# Altium PCB track_kit_test_4.PcbDoc
Units mm, origin at the board's own origin, x right, y up, seen from the top; angles counter-clockwise.
Board outline 60 x 169.5 mm, 2 copper layers (Top Layer, Bottom Layer), stack 1.571 mm thick; 122 components, 71 nets, 367 pads, 4 vias.
Unrouted connection lines stored in the file: 211.
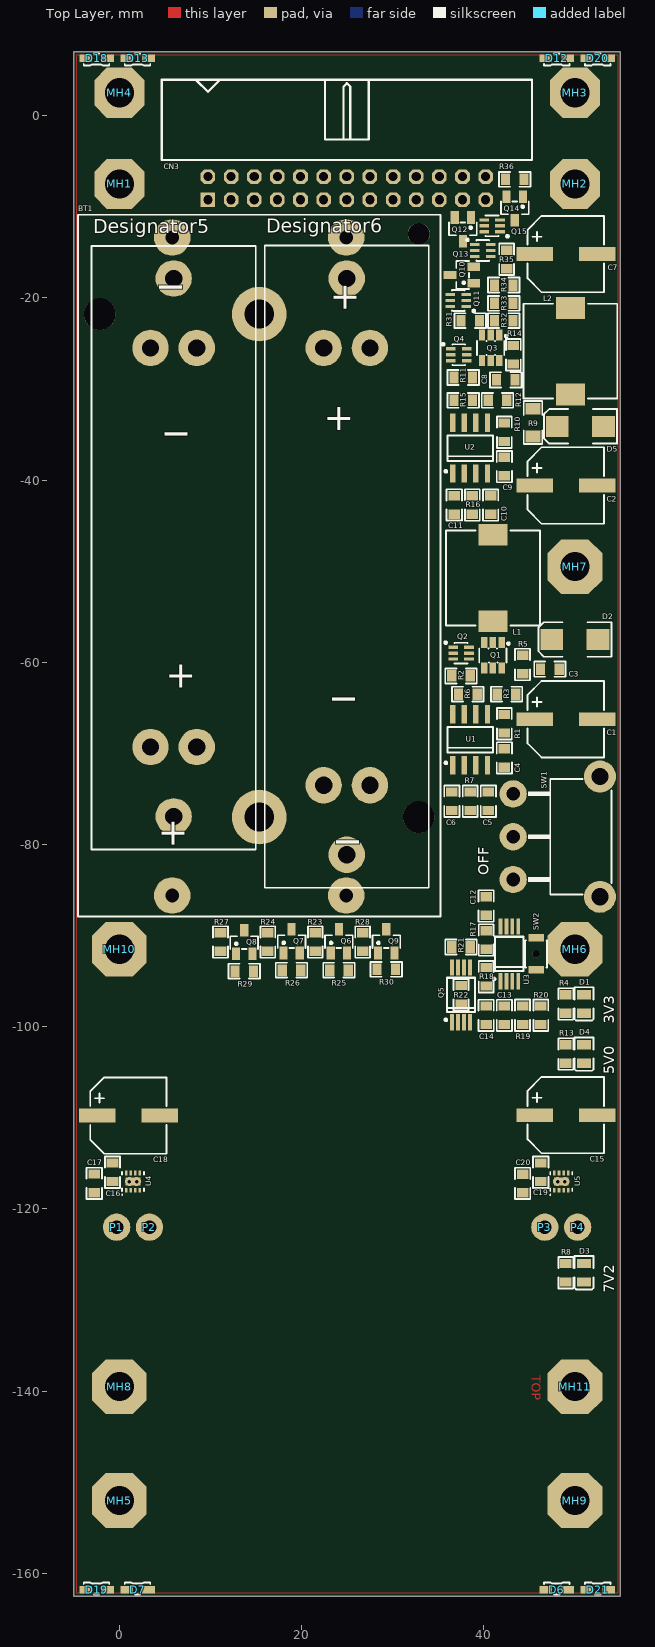
[diagram p0: Top Layer view]
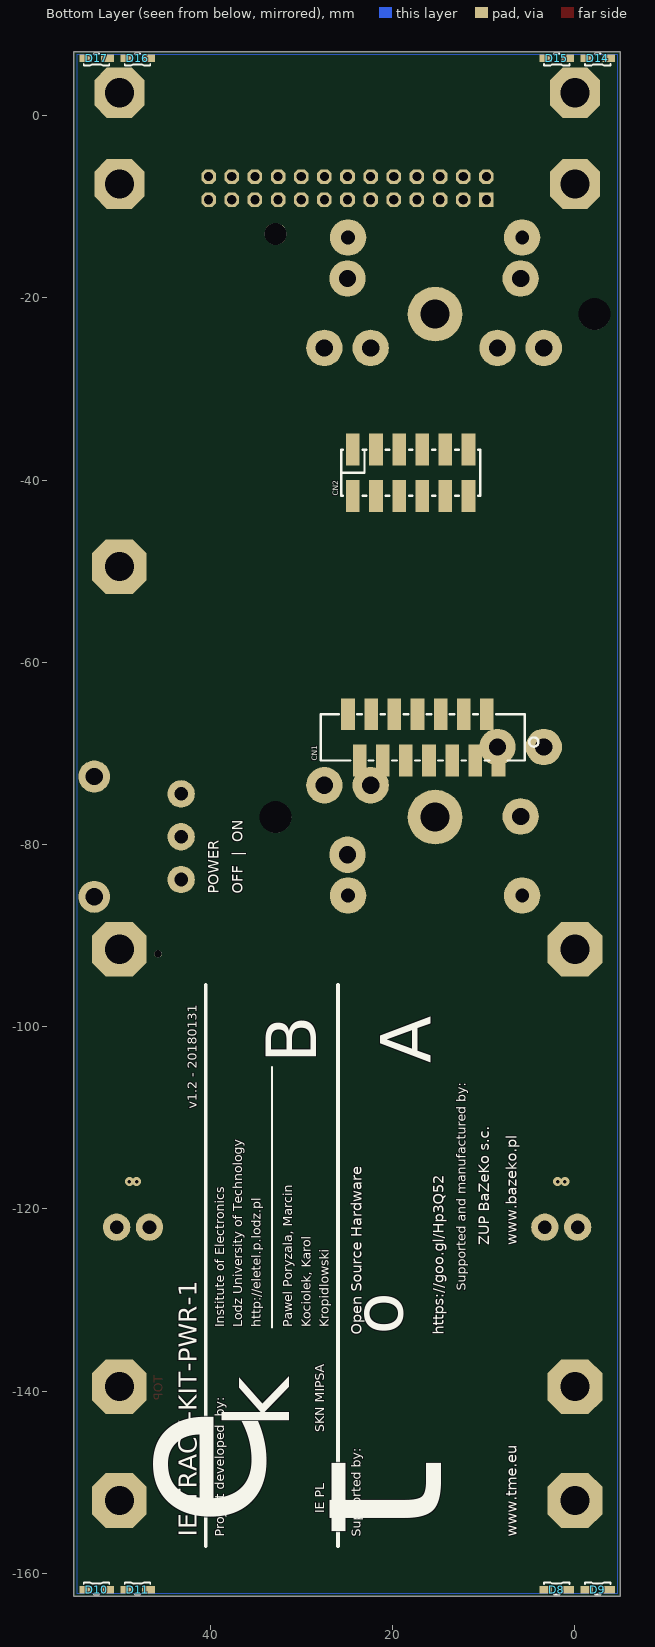
[diagram p1: Bottom Layer view, seen from below]

## Layer stack, top to bottom
Top Solder: solder mask 0.0102, Solder Resist, Dk 3.5
Top Layer: signal copper 0.0356
Dielectric 1: dielectric 1.5, FR-4, Dk 4.8
Bottom Layer: signal copper 0.0356
Bottom Solder: solder mask 0.0102, Solder Resist, Dk 3.5

## Board outline
-5,-162.5 55,-162.5 55,7 -5,7

## Design rules (kind name [scope] priority, off if disabled: settings)
Clearance Clearance_1 [OnLayer('Mechanical 3')] p1: gap=0.5 ignorepadtopadclearanceinfootprint=FALSE
Clearance [All] p2: gap=0.2 ignorepadtopadclearanceinfootprint=FALSE
ComponentClearance [All] p1: gap=0.2 collisioncheckmode=3 verticalgap=0.2 showdistances=FALSE
HoleSize [All] p1: absolutevalues=TRUE maxlimit=3.2 minlimit=0.025 maxpercent=80.000 minpercent=20.000
PolygonConnect [All] p1: thpad.connectstyle=Relief thpad.reliefconductorwidth=0.6 thpad.reliefentries=4 thpad.polygonreliefangle="90 Angle" thpad.airgapwidth=0.254 smdpad.connectstyle=Relief smdpad.reliefconductorwidth=0.6 smdpad.reliefentries=4 smdpad.polygonreliefangle="90 Angle" smdpad.airgapwidth=0.254 via.connectstyle=Direct via.reliefconductorwidth=0.6 via.reliefentries=4 via.polygonreliefangle="90 Angle" via.airgapwidth=0.254
RoomDefinition "[08] - MAIN CONNECTOR" [InComponentClass('[08] - MAIN CONNECTOR')] p1: confinementstyle=ConfineIn formatcopy=TRUE lockcomponents=FALSE outline -458,-388.5 -407.2,-388.5 -407.2,-363.1 -458,-363.1
RoomDefinition "[06] - MOTOR DRIVERS" [InComponentClass('[06] - MOTOR DRIVERS')] p2: confinementstyle=ConfineIn formatcopy=TRUE lockcomponents=FALSE outline -458,-388.5 -407.2,-388.5 -407.2,-363.1 -458,-363.1
RoomDefinition "[05] - POWER" [InComponentClass('[05] - POWER')] p3: confinementstyle=ConfineIn formatcopy=TRUE lockcomponents=FALSE outline -458,-388.5 -407.2,-388.5 -407.2,-363.1 -458,-363.1
RoomDefinition "[04] - BATTERIES WITH PROTECTION" [InComponentClass('[04] - BATTERIES WITH PROTECTION')] p4: confinementstyle=ConfineIn formatcopy=TRUE lockcomponents=FALSE outline -458,-388.5 -407.2,-388.5 -407.2,-363.1 -458,-363.1
RoomDefinition "[07] - LIGHTS" [InComponentClass('[07] - LIGHTS')] p5: confinementstyle=ConfineIn formatcopy=TRUE lockcomponents=FALSE outline -22.4,-192.3 73.1,-192.3 73.1,36.5 -22.4,36.5
RoutingVias [All] p1: holewidth=0.4 width=1 viastyle="Through Hole" minholewidth=0.3 minwidth=0.6 maxholewidth=0.4 maxwidth=1
SilkToSolderMaskClearance [IsPad] p1: minsilkscreentomaskgap=0 clearancetoexposedcopper=TRUE
SolderMaskExpansion [All] p1: expansion=0.102
Width [All] p1: maxlimit=4 minlimit=0.28 preferedwidth=0.6
27 further rules are at their usual default settings.

## Classes and differential pairs
component class "[07] - LIGHTS": CN1 CN2 D6 D7 D8 D9 D10 D11 D12 D13 D14 D15 D16 D17 D18 D19 D20 D21 Q6 Q7 Q8 Q9 R23 R24 R25 R26 R27 R28 R29 R30
component class "[05] - POWER": C1 C2 C3 C4 C5 C6 C7 C8 C9 C10 C11 D1 D2 D3 D4 D5 L1 L2 Q1 Q2 Q3 Q4 R1 R2 R3 R4 R5 R6 R7 R8 R9 R10 R11 R12 R13 R14 R15 R16 SW1 U1 U2
component class "[04] - BATTERIES WITH PROTECTION": BT1 C12 C13 C14 Q5 R17 R18 R19 R20 R21 R22 SW2 U3
component class "[06] - MOTOR DRIVERS": C15 C16 C17 C18 C19 C20 C21 C22 C23 P1 P2 P3 P4 U4 U5
component class "[03] - BLOCK DIAGRAM": MH1 MH2 MH3 MH4 MH5 MH6 MH7 MH8 MH9 MH10 MH11
component class "[08] - MAIN CONNECTOR": CN3 Q10 Q11 Q12 Q13 Q14 Q15 Q? R31 R32 R33 R34 R35 R36

## Components (designator, comment, footprint, x,y, rotation, side; value= is the part's Value field where it differs from the comment)
BT1 "KEYSTONE 1049" KEYSTONE_1049 15.35,-49.49 r90 top locked
C1 "220uF/16V" CES_E_8.3x8.3_6.2 49,-66.25 r90 top
C2 "220uF/16V" CES_E_8.3x8.3_6.2 49,-40.6 r90 top
C3 "100n/50V" C0805 47.25,-60.75 r180 top
C4 "1u/16V" C0805 42.25,-70.5 r90 top
C5 "2,2n/50V" C0805 40.5,-75.25 r90 top
C6 "6,8n/50V" C0805 36.5,-75.25 r90 top
C7 "220uF/16V" CES_E_8.3x8.3_6.2 49,-15.2 r90 top
C8 "100n/50V" C0805 42.4,-29 r0 top
C9 "1u/16V" C0805 42.25,-38.516 r90 top
C10 "2,2n/50V" C0805 40.75,-42.75 r90 top
C11 "6,8n/50V" C0805 36.75,-42.734 r90 top
C12 "220nF" C0805 40.25,-86.75 r270 top
C13 "220nF" C0805 42.25,-98.75 r90 top
C14 "220nF" C0805 40.25,-98.75 r90 top
C15 "220uF/16V" CES_E_8.3x8.3_6.2 49,-109.7 r90 top locked
C16 "100nF" C0805 -0.75,-115.975 r90 top locked
C17 "100nF" C0805 -2.75,-117.191 r270 top locked
C18 "220uF/16V" CES_E_8.3x8.3_6.2 1,-109.75 r90 top locked
C19 "100nF" C0805 46.25,-115.975 r90 top locked
C20 "100nF" C0805 44.25,-117.2 r270 top locked
CN1 "TMM-6-L-14-2" MM_14_SMD_LCK 16.645,-68.246 r180 bottom locked
CN2 "QTR-8RC_DIRECT" QTR-8RC_SNAPPED_GOLDPIN_VERTICAL 25,-39.3 r0 top
CN3 "IDC Connector" IDC26_RA_LONG_W_CN 24.96,-7.97 r0 top locked
D1 "LED_YELLOW" LED0805Y 51,-97.5 r270 top
D2 "MBRS140T3G" SMB 50,-57.5 r180 top
D3 "RED" LED0805R 51,-127 r270 top
D4 "GREEN" LED0805G 51,-103 r270 top
D5 "MBRS140T3G" SMB 50.6,-34.1 r180 top
D6 "KA-2810ASURSK" LED2810 48,-161.4 r180 top locked
D7 "KA-2810ASURSK" LED2810 2,-161.4 r180 top locked
D8 "KA-2810ASURSK" LED2810 2,-161.4 r0 bottom locked
D9 "KA-2810ASURSK" LED2810 -2.5,-161.4 r0 bottom locked
D10 "KA-2810ASURSK" LED2810 52.5,-161.4 r0 bottom locked
D11 "KA-2810ASURSK" LED2810 48,-161.4 r0 bottom locked
D12 "LTW-108DCG-HS10" LED2810 48,5.9 r0 top
D13 "LTW-108DCG-HS10" LED2810 2,5.9 r0 top
D14 "LTW-108DCG-HS10" LED2810 -2.5,5.9 r180 bottom
D15 "LTW-108DCG-HS10" LED2810 2,5.9 r180 bottom
D16 "LTW-108DCG-HS10" LED2810 48,5.9 r180 bottom
D17 "LTW-108DCG-HS10" LED2810 52.5,5.9 r180 bottom
D18 "KA-2810ASESK" LED2810 -2.5,5.9 r0 top
D19 "KA-2810ASESK" LED2810 -2.5,-161.4 r180 top locked
D20 "KA-2810ASESK" LED2810 52.5,5.9 r0 top
D21 "KA-2810ASESK" LED2810 52.5,-161.4 r180 top locked
Designator5 "Comment" KEYSTONE_54_W_18650 5.96,-47.4 r90 top
Designator6 "Comment" KEYSTONE_54_W_PROT_W_18650 24.96,-49.5 r270 top
L1 "10uH, 3,45A" PSDB1005 41,-50.75 r90 top
L2 "10uH, 3,45A" PSDB1005 49.5,-25.85 r90 top
MH1 "MHOLE 3mm" "3mm screw drill I"#1 0,-7.5 r0 top
MH2 "MHOLE 3mm" "3mm screw drill I"#1 50,-7.5 r0 top
MH3 "MHOLE 3mm" "3mm screw drill I"#1 50,2.5 r0 top
MH4 "MHOLE 3mm" "3mm screw drill I"#2 0,5 r0 top
MH5 "MHOLE 3mm" "3mm screw drill I"#3 0,-152 r0 top
MH6 "MHOLE 3mm" "3mm screw drill I"#3 50,-91.5 r0 top
MH7 "MHOLE 3mm" "3mm screw drill I"#3 50,-49.5 r0 top
MH8 "MHOLE 3mm" "3mm screw drill I"#3 0,-139.5 r0 top
MH9 "MHOLE 3mm" "3mm screw drill I"#3 50,-152 r0 top
MH10 "MHOLE 3mm" "3mm screw drill I"#3 0,-91.5 r0 top
MH11 "MHOLE 3mm" "3mm screw drill I"#3 50,-139.5 r0 top
P1 "CablePAD" PADTHT1.5x3mm -0.3,-122 r0 top
P2 "CablePAD" PADTHT1.5x3mm 3.3,-122 r0 top locked
P3 "CablePAD" PADTHT1.5x3mm 46.7,-122 r0 top locked
P4 "CablePAD" PADTHT1.5x3mm 50.3,-122 r0 top locked
Q1 "AO6401A" SOT-23-6 41,-59.25 r180 top
Q2 "BC847BPN" "SOT-323-6 (SOT-363, SC88, SC70-6)" 37.5,-59 r270 top
Q3 "AO6401A" SOT-23-6 40.75,-25.5 r180 top
Q4 "BC847BPN" "SOT-323-6 (SOT-363, SC88, SC70-6)" 37.25,-26.25 r270 top
Q5 "AO8810" TSSOP8 37.5,-96.5 r180 top
Q6 "IRLML0040TRPBF" SOT-23 24.1,-90.6 r0 top
Q7 "IRLML0040TRPBF" SOT-23 18.9,-90.6 r0 top
Q8 "IRLML0040TRPBF" SOT-23 13.7,-90.7 r0 top
Q9 "IRLML0040TRPBF" SOT-23 29.3,-90.6 r0 top
Q10 "IRLML6402" SOT-23 37.6,-17.5 r90 top
Q11 "BC857BS" "SOT-323-6 (SOT-363, SC88, SC70-6)" 37.2,-20.3 r90 top
Q12 "IRLML6402" SOT-23 37.7,-12.5 r180 top
Q13 "BC857BS" "SOT-323-6 (SOT-363, SC88, SC70-6)" 39.9,-14.8 r270 top
Q14 "IRLML6402" SOT-23 43.4,-10.2 r180 top
Q15 "BC857BS" "SOT-323-6 (SOT-363, SC88, SC70-6)" 40.9,-12.1 r90 top
R1 "0R050" R0805 42.25,-66.75 r90 top
R2 "1k" R0805 37.5,-61.5 r180 top
R3 "1k69 1%" R0805 42.5,-63.5 r0 top
R4 "220R" R0805 49,-97.5 r90 top
R5 "22k" R0805 44.25,-60.25 r270 top
R6 "1k 1%" R0805 38.25,-63.5 r180 top
R7 "1k" R0805 38.5,-75.25 r270 top
R8 "1k" R0805 49,-127 r90 top
R9 "0R" R1206 45.4,-33.7 r90 top
R10 "0R050" R0805 42.25,-34.75 r90 top
R11 "1k" R0805 37.75,-28.75 r180 top
R12 "3k0 1%" R0805 41.5,-31.25 r0 top
R13 "150R" R0805 49,-103 r90 top
R14 "22k" R0805 43.25,-26.25 r270 top
R15 "1k 1%" R0805 37.75,-31.25 r180 top
R16 "1k" R0805 38.734,-42.734 r270 top
R17 "1k" R0805 40.25,-90.484 r90 top
R18 "1k" R0805 40.25,-94.516 r90 top
R19 "1k" R0805 44.25,-98.75 r270 top
R20 "1k" R0805 46.25,-98.75 r270 top
R21 "4M7" R0805 37.5,-91.25 r180 top
R22 "0R" R0805 37.5,-96.5 r270 top
R23 "10R" R0805 21.5,-90.7 r90 top
R24 "10R" R0805 16.3,-90.7 r90 top
R25 "1k" R0805 24.1,-93.8 r0 top
R26 "1k" R0805 18.9,-93.8 r0 top
R27 "10R" R0805 11.1,-90.7 r90 top
R28 "10R" R0805 26.7,-90.7 r90 top
R29 "1k" R0805 13.7,-93.9 r0 top
R30 "1k" R0805 29.3,-93.7 r0 top
R31 "10k" R0805 38.5,-22.5 r0 top
R32 "47k" R0805 42.2,-22.5 r180 top
R33 "10k" R0805 42.2,-20.6 r180 top
R34 "47k" R0805 42.2,-18.6 r180 top
R35 "10k" R0805 42.5,-15.784 r90 top
R36 "47k" R0805 43.4,-7 r0 top
SW1 "SL19123" 500SSPXS1M6XEA 43.22,-79.145 r90 top
SW2 "B3U-1000PM-B" B3U-1000PM-B 45.75,-92 r90 top
U1 "NCP3063BDR2G" SO8 38.5,-68.5 r0 top
U2 "NCP3063BDR2G" SO8 38.5,-36.5 r0 top
U3 "S-8232" TSSOP8 42.8,-92 r180 top
U4 "DRV8838" "WSON8 (DSG8-1600X900TP)" 1.5,-117 r90 top locked
U5 "DRV8838" "WSON8 (DSG8-1600X900TP)" 48.5,-117 r90 top locked

## Footprints (in the part's own frame and the unit in brackets; to place one, negate y for a bottom-side part, rotate by r counter-clockwise, add the part's x,y. Pads: shape width x height; smd on the part's side, far side on the other; paste and mask are expansions set on the pad)
"3mm screw drill I"#1 [mm]
  oct 5.5x5.5 hole 3.2: 1(0,0)
"3mm screw drill I"#2 [mm]
  oct 5.5x5.5 hole 3.2: 1(0,-2.5)
"3mm screw drill I"#3 [mm]
  oct 6x6 hole 3.2: 1(0,0)
  body extent -2.75,9.75 2.75,15.25, height 4.2
500SSPXS1M6XEA [mm] "E-Switch 500 Series Miniature Slide Switche (TME: Canal Electronic, SL19123)"
  round 3 hole 1.5: 1(-4.7,0) 2(0,0) 3(4.7,0)
  round 3.5 hole 1.9: M(-6.605,-9.53) M(6.605,-9.53)
  silkscreen extent -6.35,-10.79 6.35,-1.65, body extent -6.78,-15.49 6.79,0.7, height 6.8
B3U-1000PM-B [mm] "OMRON Ultra-small Tactile Switch B2U Series"
  rect 0.8x1.7 smd: 1(-1.75,0) 2(1.75,0)
  round 0.8 hole 0.8: M0(0,0)
  silkscreen extent -1.5,-1.2 1.5,1.2, body extent -2,-1.25 2,1.25, height 1.6
C0805 [mil]
  rect 40x50 smd: 1(-40,0) 2(40,0)
  silkscreen extent -68,-33 68,33, body extent -39,-25 39,25, height 31
CES_E_8.3x8.3_6.2 [mm] "SMT Aluminum Electrolytic Capacitor, E Size; base: 8.3x8.3mm, height: 6.2mm"
  rect 1.5x4 smd: 1(0,3.429) 2(0,-3.429)
  silkscreen extent -4.19,-4.19 4.19,4.19, body extent -4.15,-4.5 4.15,4.5, height 6.2
IDC26_RA_LONG_W_CN [mm] "2.54mm, 26 Pin IDC Male Connector, Right Angle"
  rect 1.6x1.6 hole 1: 1(-15.24,-1.27)
  oct 1.6x1.6 hole 1: 2(-15.24,1.27) 3(-12.7,-1.27) 4(-12.7,1.27) 5(-10.16,-1.27) 6(-10.16,1.27) 7(-7.62,-1.27) 8(-7.62,1.27) 9(-5.08,-1.27) 10(-5.08,1.27) 11(-2.54,-1.27) 12(-2.54,1.27) 13(0,-1.27) 14(0,1.27) 15(2.54,-1.27) 16(2.54,1.27) 17(5.08,-1.27) 18(5.08,1.27) 19(7.62,-1.27) 20(7.62,1.27) 21(10.16,-1.27) 22(10.16,1.27) 23(12.7,-1.27) 24(12.7,1.27) 25(15.24,-1.27) 26(15.24,1.27)
  silkscreen extent -20.32,3.1 20.32,11.9, body extent -20.37,-1.64 20.31,21.3, height 9.13
KEYSTONE_54_W_18650 [mm]
  round 4 hole 1.9: 1(-29.52,0) 1(-21.9,-2.54) 1(-21.9,2.54) 2(21.9,-2.54) 2(21.9,2.54) 2(29.52,0)
  silkscreen extent -33.15,-9 33.1,9, body extent -33.16,-9.05 33.11,9.09, height 19
KEYSTONE_54_W_PROT_W_18650 [mm]
  round 4 hole 1.9: 1(-31.62,0) 1(-24,-2.54) 1(-24,2.54) 2(24,-2.54) 2(24,2.54) 2(31.62,0)
  silkscreen extent -35.25,-9 35.25,9, body extent -35.26,-9.05 35.26,9.05, height 19
KEYSTONE_1049 [mm] "THT double 18650 LiPo Holder"
  round 4 hole 1.5: 1(-36.11,9.55) 2(36.11,9.55) 3(-36.11,-9.55) 4(36.11,-9.55)
  round 6 hole 3.2: M1(-27.5,0) M2(27.7,0)
  round 3.45 hole 3.5: M3(-27.5,-17.505) M4(27.7,17.5)
  round 2.4 hole 2.4: M5(36.5,-17.505)
  silkscreen extent -38.4,-19.9 38.6,19.9, body extent -38.4,-19.89 38.66,19.89, height 14.88
LED0805G [mil]
  rect 40x60 smd: 1(-40,0) 2(40,0)
  silkscreen extent -72,-41 72,41, body extent -40,-25 40,25, height 43
LED0805R [mil]
  rect 40x60 smd: 1(-40,0) 2(40,0)
  silkscreen extent -72,-41 72,41, body extent -40,-25 40,25, height 43
LED0805Y [mil]
  rect 40x60 smd: 1(-40,0) 2(40,0)
  silkscreen extent -72,-41 72,41, body extent -40,-25 40,25, height 43
LED2810 [mm] "SMD 2810 LED case (for e.g. Kingbright KA-2810 series)"
  rect 1.4x0.86 smd: 1(1.2,0.4) 2(-1.2,0.4)
  silkscreen extent -1.4,-0.4 1.4,0.9, body extent -1.4,-0.4 1.4,0.9, height 0.8
MM_14_SMD_LCK [mm] "16 Pin MicroMatch Connector With Lock"
  rect 1.5x3.5 smd: 1(8.255,-2.54) 2(6.985,2.54) 3(5.715,-2.54) 4(4.445,2.54) 5(3.175,-2.54) 6(1.905,2.54) 7(0.635,-2.54) 8(-0.635,2.54) 9(-1.905,-2.54) 10(-3.175,2.54) 11(-4.445,-2.54) 12(-5.715,2.54) 13(-6.985,-2.54) 14(-8.255,2.54)
  silkscreen extent -11.26,-2.54 12.63,2.54, body extent -11.12,-3.45 11.13,3.47, height 5.3
PADTHT1.5x3mm [mm]
  round 3 hole 1.5: 0(0,0)
PSDB1005 [mm] "PSDB Series Shielded SMD Power Inductor"
  rect 2.4x3.2 smd: 1(-4.75,0) 2(4.75,0)
  silkscreen extent -5.2,-5.15 5.2,5.15, body extent -5.2,-5.2 5.2,5.2, height 4.85
QTR-8RC_SNAPPED_GOLDPIN_VERTICAL [mm] "QTR-8RC Reflectance Sensor Array"
  rect 1.5x3.5 smd far side: 1(-0.625,2.64) 2(-3.165,2.64) 3(-5.705,2.64) 4(-8.245,2.64) 5(-10.785,2.64) 6(-13.325,2.64) GND(-13.325,-2.44) GND(-10.785,-2.44) GND(-8.245,-2.44) GND(-5.705,-2.44) LEDON(-0.625,-2.44) VCC(-3.165,-2.44)
  body extent -27.82,-3.42 27.77,11.05, height 15.33
R0805 [mil]
  rect 40x50 smd: 1(-40,0) 2(40,0)
  silkscreen extent -68,-32 68,32, body extent -39,-25 39,25, height 31
R1206 [mil]
  rect 50x65 smd: 1(-60,0) 2(60,0)
  silkscreen extent -93,-40 93,40, body extent -63,-31 63,32, height 39
SMB [mm]
  rect 2.5x2.3 smd: 1(-2.54,0) 2(2.54,0)
  silkscreen extent -4,-1.9 4,1.9, body extent -2.7,-1.8 2.7,1.8, height 2.3
SO8 [mm] "Small Outline; 8 Leads; Body Width 3.7 mm; Pitch 1.27 mm"
  rect 0.6x2 smd: 1(-1.905,-2.794) 2(-0.635,-2.794) 3(0.635,-2.794) 4(1.905,-2.794) 5(1.905,2.794) 6(0.635,2.794) 7(-0.635,2.794) 8(-1.905,2.794)
  silkscreen extent -2.79,-2.66 2.5,1.4, body extent -2.4,-2.9 2.4,2.9, height 1.75
SOT-23 [mm]
  rect 0.9x1.4 smd: 1(-0.9,-1.3) 2(0.9,-1.3) 3(0,1.3)
  silkscreen extent -1.52,-0.76 1.52,0.64, body extent -1.46,-1.25 1.46,1.23, height 1
SOT-23-6 [mm] "SOT23-6, AKA: SOT-26 (Diodes), SuperSOT-6 (Fairchild), SOT753 (NXP), TSOP5 (NXP)"
  rect 0.7x1.2 smd: 1(-0.95,-1.4) 2(0,-1.4) 3(0.95,-1.4) 4(0.95,1.4) 5(0,1.4) 6(-0.95,1.4)
  silkscreen extent -1.83,-1.42 1.5,0.76, body extent -1.4,-1.21 1.4,1.21, height 1.09
"SOT-323-6 (SOT-363, SC88, SC70-6)" [mm] "SOT-363; 6 Leads; Body 2.2 x 2.2 mm, inc. leads (LxW max)"
  rect 0.35x1.05 smd: 1(-0.65,-0.875) 2(0,-0.875) 3(0.65,-0.875) 4(0.65,0.875) 5(0,0.875) 6(-0.65,0.875)
  silkscreen extent -1.27,-1.82 1.15,0.7, body extent -1.05,-1.15 1.05,1.15, height 1
TSSOP8 [mm] "JEDEC MO-153 AA (TSSOP-8)"
  rect 0.42x1.78 smd: 1(0.975,3) 2(0.325,3) 3(-0.325,3) 4(-0.975,3) 5(-0.975,-3) 6(-0.325,-3) 7(0.325,-3) 8(0.975,-3)
  silkscreen extent -1.55,-1.88 1.8,2.87, body extent -1.5,-3.23 1.5,3.23, height 1.2
"WSON8 (DSG8-1600X900TP)" [mm] "SON, 8-Leads, Body 2x2mm, Pitch 0.5mm, Thermal Pad 1.6x0.9mm, TI Recommended"
  rect 0.5x0.28 smd paste-0.14 mask+0.07: 1(-0.95,0.75) 2(-0.95,0.25) 3(-0.95,-0.25) 4(-0.95,-0.75) 5(0.95,-0.75) 6(0.95,-0.25) 7(0.95,0.25) 8(0.95,0.75)
  rect 0.9x1.6 smd paste-0.45 mask+0.07: 9(0,0)
  silkscreen extent -1.5,-1.2 1.05,1.25, body extent -1.05,-1.05 1.05,1.05, height 0.8

## Part data
BT1: library part "Keystone 1049", "2x 18650 LiPo Acu in the KEYSTONE 1049 Holder", Published=14-Sep-2006
C1 C2 C7 C15 C18: library part "Cap Pol", "Polarized Capacitor", ComponentLink1Description=datasheet, ComponentLink2Description=supplier
C3 C4 C5 C6 C8 C9 C10 C11 C12 C13 C14 C16 C17 C19 C20: library part Cap, "Capacitor", ComponentLink1Description=datasheet, ComponentLink2Description=supplier
CN1: "14-pin MicroMarch Female Socket With Locking Mechanism, Vertical, SMD"
CN2: "QTR-8RC Reflectance Sensor Array (Pololu item No. 961)", Published=14-Sep-2006
CN3: library part CN_13x2
D1: "YELLOW LED", Published=04-Apr-2006
D2 D5: "Schottky barrier rectifier: 40V, 1A", PackageReference=SMB, Published=22-Nov-2006, Supplier 1=TME, Supplier 2=Farnell, Supplier Part Number 1=MBRS140T3G, Supplier Part Number 2=1467526
D3: library part LED_RED, "RED LED", Published=04-Apr-2006
D4: library part LED_GREEN, "GREEN LED", Published=04-Apr-2006
L1 L2: library part PSDB1005NT100, "10uH, 20%, 3,45A, PSDB1005N Series Inductor", ComponentLink1Description=datasheet, ComponentLink2Description=supplier, Published=08-Mar-2006, Supplier 1=TME, Supplier Part Number 1=PSDB1005NT100
MH1 MH2 MH3 MH4 MH5 MH6 MH7 MH8 MH9 MH10 MH11: library part MHOLE_3MM, "3mm Mounting Hole"
P1 P2 P3 P4: "Cable/Wire Soldering PAD", Published=14-Sep-2006
Q1 Q3: "P-Channel MOSFET; -60V, -5A, 1.3W;", Supplier 1=TME, Supplier Part Number 1=AO6401A
Q2 Q4: "PNP/NPN General Purpose Transistor (VCE=45V, IC=100mA)", Supplier Part Number 1=BC847BPN.115, Supplier 1=TME, Supplier 2=Farnell, Supplier 3=Farnell, Supplier 4=Farnell, Supplier Part Number 2=2336824, Supplier Part Number 3=1081233RL, Supplier Part Number 4=1081233
Q5: "Dual Common Drain N-Channel MOSFET: Vds=20V, Rdson<20mR@4,5V, Id=7A", Package Reference="TSOP6 (SOT23-6)", Published=20-Mar-2006, Supplier 1=TME, Supplier Part Number 1=AO8810
Q6 Q7 Q8 Q9: "N-Channel; 40V, 3.6A, 1,25W; HEXFET Power MOS-FET", Supplier Part Number 1=1831088RL, Supplier 1=Farnell, Supplier 2=TME, Supplier 3=Farnell, Supplier 4=Farnell, Supplier Part Number 2=IRLML0040TRPBF, Supplier Part Number 3=1829136, Supplier Part Number 4=1831088
Q10 Q12 Q14: "P-Channel; -20V, -3.7A, 1.3W; HEXFET Power MOS-FET"
Q11 Q13 Q15: "2xPNP General Purpose Transistor (VCE=-45V, IC=-100mA)"
R1 R2 R3 R4 R5 R6 R7 R8 R9 R10 R11 R12 R13 R14 R15 R16 R17 R18 R19 R20 R21 R22 R23 R24 R25 R26 R27 R28 R29 R30 R31 R32 R33 R34 R35 R36: library part Res, "Resistor", ComponentLink1Description=datasheet, ComponentLink2Description=supplier, Published=19-Feb-2006
SW1: "Canal Electronic SPDT AC: 3A/250V, DC: 6A/28V", Supplier 1=TME, Supplier Part Number 1=SL19123
SW2: "OMRON Ultra-small Tactile Switch - 12V/50mA"
U1 U2: "DC-DC Converter NCP3063BDR2G (Farnell 1547126)", Supplier Part Number 1=1547126, PackageReference=SO8, Published=22-Nov-2006, Supplier 1=Farnell, Supplier 2=Farnell, Supplier 3=Farnell, Supplier Part Number 2=2126136, Supplier Part Number 3=1547126RL
U3: "Battery Protection IC For 2-Serial-Cell Pack"
U4 U5: "Low-Voltage H-Bridge Driver", Supplier Part Number 1=2420232, Published=14-Sep-2006, Supplier 1=Farnell, Supplier 2=Farnell, Supplier Part Number 2=2542736
D6 D7 D8 D9 D10 D11 D12 D13 D14 D15 D16 D17 D18 D19 D20 D21: Published=04-Apr-2006

## Via types
v1: diameter 1, hole 0.4, Top Layer to Bottom Layer, tented both sides, 4 vias

## Nets (pads, with @x,y where several pads share a name; then routed paths per layer and width w, separated by ;. In a path a pad name is that pad's centre, name@x,y a point inside that pad or via, vN(x,y) a via of type N, cw(c..) or ccw(c..) an arc to the next point about the centre after c; other vN are vias at no path point)
3V3: C2.1 C3.2 C15.1 C17.2 C18.1 C20.2 D1.1 D6.2 D7.2 D8.2 D9.2 D10.2 D11.2 D12.2 D13.2 D14.2 D15.2 D16.2 D17.2 D18.2 D19.2 D20.2 D21.2 L1.2 MH10.1 Q12.3 Q13.1 R3.2 U4.1 U5.1
5V0: C7.1 C8.2 D4.1 L2.2 Q14.3 Q15.1 R9.2 R12.2
7V2: BT1.1 R17.1 R18.2 SW1.2
7V2_SW: C1.1 C4.2 C9.2 D3.1 Q10.3 Q11.1 R1.1 R9.1 R10.1 SW1.3 U1.6 U2.6
EN_LEFT: CN3.18 U4.5
EN_RIGHT: CN3.17 U5.5
FB_3V3: R3.1 R6.1 U1.5
FB_5V: R12.1 R15.1 U2.5
GND: C1.2 C2.2 C3.1 C4.1 C5.1 C6.1 C7.2 C8.1 C9.1 C10.1 C11.1 C15.2 C16.1 C17.1 C18.2 C19.1 C20.1 CN1.1 CN1.3 CN1.5 CN1.7 CN1.9 CN2.GND CN3.4 CN3.6 CN3.22 D2.1 D5.1 MH1.1 MH2.1 MH3.1 MH4.1 MH5.1 MH6.1 MH7.1 MH8.1 MH9.1 MH11.1 Q5.6 Q5.7 Q6.2 Q7.2 Q8.2 Q9.2 R4.2 R6.2 R7.2 R8.2 R13.2 R15.2 R16.2 R20.2 R21.2 R22.1 R25.2 R26.2 R29.2 R30.2 R31.1 R32.1 R33.1 R34.1 R35.1 R36.1 SW1.M U1.4 U2.4 U4.4 U4.9 U5.4 U5.9
  other v1: 1.1,-117 1.9,-117 48.1,-117 48.9,-117
LD1: CN1.14 CN2.1 CN3.13
LD2: CN1.12 CN2.2 CN3.11
LD3: CN1.10 CN2.3 CN3.9
LD4: CN1.8 CN2.4 CN3.7
LD5: CN1.6 CN2.5 CN3.5
LD6: CN1.4 CN2.6 CN3.3
LEDON: CN1.13 CN2.LEDON CN3.14
LIGHTS_FRONT: CN3.10 Q7.1 R26.1
LIGHTS_REAR: CN3.8 Q6.1 R25.1
LIGHTS_TURN_LEFT: CN3.2 Q8.1 R29.1
LIGHTS_TURN_RIGHT: CN3.1 Q9.1 R30.1
NetBT1_2: BT1.2 BT1.4 R19.1
NetC5_2: C5.2 R5.2 U1.3
NetC6_2: C6.2 R7.1 U1.2
NetC10_2: C10.2 R14.2 U2.3
NetC11_2: C11.2 R16.1 U2.2
NetC12_1: C12.1 C13.2 R19.2 U3.7
NetC12_2: C12.2 R17.2 U3.8
NetC14_2: C14.2 U3.6
NetCN3_21: CN3.21 Q10.2 Q11.4
NetCN3_23: CN3.23 CN3.24 Q12.2 Q13.4
NetCN3_25: CN3.25 CN3.26 Q14.2 Q15.4
NetD1_2: D1.2 R4.1
NetD2_2: D2.2 L1.1 Q1.1 Q1.2 Q1.5 Q1.6 R5.1
NetD3_2: D3.2 R8.1
NetD4_2: D4.2 R13.1
NetD5_2: D5.2 L2.1 Q3.1 Q3.2 Q3.5 Q3.6 R14.1
NetD6_1: D6.1 D7.1 D8.1 D9.1 D10.1 D11.1 R23.1
NetD12_1: D12.1 D13.1 D14.1 D15.1 D16.1 D17.1 R24.1
NetD18_1: D18.1 D19.1 R27.1
NetD20_1: D20.1 D21.1 R28.1
NetP1_0: P1.0 U4.2
NetP2_0: P2.0 U4.3
NetP3_0: P3.0 U5.2
NetP4_0: P4.0 U5.3
NetQ1_3: Q1.3 Q2.1 Q2.4
NetQ1_4: Q1.4 Q2.6 R1.2 R2.1 U1.7
NetQ2_2: Q2.2 Q2.3 Q2.5 R2.2 U1.1
NetQ3_3: Q3.3 Q4.1 Q4.4
NetQ3_4: Q3.4 Q4.6 R10.2 R11.1 U2.7
NetQ4_2: Q4.2 Q4.3 Q4.5 R11.2 U2.1
NetQ5_1: Q5.1 Q5.8
NetQ5_4: Q5.4 U3.2
NetQ5_5: Q5.5 R21.1 U3.3
NetQ6_3: Q6.3 R23.2
NetQ7_3: Q7.3 R24.2
NetQ8_3: Q8.3 R27.2
NetQ9_3: Q9.3 R28.2
NetQ10_1: Q10.1 Q11.3 R32.2
NetQ11_2: Q11.2 Q11.5 Q11.6 R31.2
NetQ12_1: Q12.1 Q13.3 R34.2
NetQ13_2: Q13.2 Q13.5 Q13.6 R33.2
NetQ14_1: Q14.1 Q15.3 R36.2
NetQ15_2: Q15.2 Q15.5 Q15.6 R35.2
NetR18_1: R18.1 U3.1
NetR20_1: R20.1 SW2.1 U3.4
nSLEEP_LEFT: CN3.20 U4.7
nSLEEP_RIGHT: CN3.19 U5.7
PACK_GND: BT1.3 C13.1 C14.1 Q5.2 Q5.3 R22.2 SW2.2 U3.5
PH_LEFT: CN3.16 U4.6
PH_RIGHT: CN3.15 U5.6
SYSTEM_VCC: C16.2 C19.2 CN1.11 CN2.VCC CN3.12 U4.8 U5.8
pads on no net: BT1.M1 BT1.M2 BT1.M3 BT1.M4 BT1.M5 CN1.2 Designator5.1 Designator5.2 Designator6.1 Designator6.2 SW1.1 SW2.M0 U1.8 U2.8

## Polygon pours and split planes (outlines as drawn)
GND on Bottom Layer "GND" (solid, remove dead copper, shelved, pour order 2): -4.7,6.7 54.7,6.7 54.7,-162.2 -4.7,-162.2
GND on Top Layer "GND" (solid, remove dead copper, shelved, pour order 0): -4.7,6.7 54.7,6.7 54.7,-162.2 -4.7,-162.2

## Other copper
Top Layer:
  pour cut-out: 48.373,-136.246 48.369,-136.25 44.75,-136.25 44.75,-142.75 48.369,-142.75 48.373,-142.754
  text "TOP" at 45.25,-138.25 h1 r270

## Silkscreen, mask and mechanical layers (free items; w line width, h text height)
Top Overlay:
  text "OFF" at 40.9,-83.4 h2 r90
  text "3V3" at 54.7,-99.7 h2 r90
  text "5V0" at 54.7,-105.2 h2 r90
  text "7V2" at 54.7,-129.2 h2 r90
Bottom Overlay:
  lines w0.2: 33.25,-133 33.25,-104.4
  lines w0.4: 26,-157 26,-95.4 ; 40.5,-157 40.5,-95.4
  text "OFF  |  ON" at 36.1,-85.4 h2 r270
  text "POWER" at 38.7,-85.4 h2 r270
  text "A" at 14,-104 h9.5 r270
  text "B" at 26.6,-104 h9.5 r270
  text "v1.2 - 20180131" at 41.5,-109 h1 r270
  text "www.bazeko.pl" at 6,-124 h2 r270
  text "ZUP BaZeKo s.c." at 9,-124 h2 r270
  text "Supported and manufactured by:" at 12,-129 h1 r270
  text "Kropidlowski" at 27,-133 h1 r270
  text "Kociolek, Karol" at 29,-133 h1 r270
  text "Pawel Poryzala, Marcin" at 31,-133 h1 r270
  text "http://eletel.p.lodz.pl" at 34.5,-133 h1 r270
  text "Lodz University of Technology" at 36.5,-133 h1 r270
  text "Institute of Electronics" at 38.5,-133 h1 r270
  text "https://goo.gl/Hp3Q52" at 14,-133.8 h2 r270
  text "o" at 17.1,-133.8 h9.5 r270
  text "Open Source Hardware" at 23,-133.8 h2 r270
  text "k" at 29,-144.1 h12.5 r270
  text "SKN MIPSA" at 27.5,-144.5 h1 r270
  text "IE PL" at 27.5,-153.4 h1 r270
  text "e" at 29,-155 h27 r270
  text "www.tme.eu" at 6,-156 h2 r270
  text "t" at 9,-156 h30 r270
  text "Supported by:" at 23.5,-156 h1 r270
  text "Project developed  by:" at 38.5,-156 h1 r270
  text "IE-TRACK-KIT-PWR-1" at 41.5,-156 h2 r270
Mechanical 2:
  circle w0.2: c50,-10 r0.707
  circle w0.2: c50,0 r0.707
  circle w0.2: c50,-130 r0.707
  circle w0.2: c0,-130 r0.707
  circle w0.2: c0,-10 r0.707
  circle w0.2: c0,0 r0.707
  lines w0.2: -5,-155 -5,5 55,5 55,-155 -5,-155
Mechanical 3:
  lines w0.254: -5,-162.5 55,-162.5 55,-15 55,7 -5,7 -5,-15 -5,-162.5
Mechanical 15:
  lines w0.2: -29.5,-160 4,-160 ; -29.5,0 4,0
  lines w0.254: 0,-173 50,-173 ; 0,-143 50,-143 ; 0,-139.5 50,-139.5 ; 0,-138 0,-152 50,-152 50,-136.5 ; 0,12 50,12
  text "dlugosc plytki w oryginalnej wersji 1.1" at 9.2,12.5 h1
  text "os przednia" at -29,1 h1.52
  text "nowy projekt - silniki - v1.2" at 11,-139 h1
  text "oryginalny projekt - dodatkowe - v1.1" at 8.7,-142.4 h1
  text "oryginalny projekt - silniki - v1.1" at 8.7,-151.4 h1
  text "os tylna" at -29,-159 h1.52
  text "dlugosc plytki w oryginalnej wersji 1.1" at 9.2,-172.5 h1
Drill Drawing:
  circle w0.254: c79.365,-152.89 r0.847
  lines w0.254: 78.519,-157.547 79.365,-157.124 80.212,-157.547 79.789,-156.7 80.212,-155.854 79.365,-156.277 78.519,-155.854 78.942,-156.7 78.519,-157.547 ; 78.519,-149.927 78.519,-149.504 78.942,-149.08 78.519,-148.657 78.519,-148.234 78.942,-148.234 79.365,-148.657 79.789,-148.234 80.212,-148.234 80.212,-148.657 79.789,-149.08 80.212,-149.504 80.212,-149.927 79.789,-149.927 79.365,-149.504 78.942,-149.927 78.519,-149.927 ; 78.519,-145.694 78.942,-145.694 79.365,-146.117 79.789,-145.694 80.212,-145.694 79.789,-145.27 80.212,-144.847 79.789,-144.847 79.365,-144.424 78.942,-144.847 78.519,-144.847 78.942,-145.27 78.519,-145.694 ; 78.519,-142.307 80.212,-142.307 80.212,-140.614 78.519,-140.614 78.519,-142.307 ; 78.519,-138.074 78.942,-138.074 78.942,-138.497 79.789,-138.497 79.789,-138.074 80.212,-138.074 80.212,-137.227 79.789,-137.227 79.789,-136.804 78.942,-136.804 78.942,-137.227 78.519,-137.227 78.519,-138.074 ; 78.519,-134.687 80.212,-134.687 80.212,-132.994 78.519,-132.994 78.519,-134.687 ; 78.519,-130.03 79.365,-130.877 80.212,-130.03 79.365,-129.184 78.519,-130.03 ; 78.857,-157.208 79.365,-156.954 79.873,-157.208 79.619,-156.7 79.873,-156.192 79.365,-156.446 78.857,-156.192 79.111,-156.7 78.857,-157.208 ; 78.857,-141.968 79.873,-141.968 79.873,-140.952 78.857,-140.952 78.857,-141.968
  lines w0.381: 77,-158.69 124.182,-158.69 ; 77,-128.21 124.182,-128.21 ; 90.992,-162.5 90.992,-124.4 ; 104.705,-162.5 104.705,-124.4 ; 77,-162.5 124.182,-162.5 124.182,-124.4 77,-124.4 77,-162.5
  text "Symbol" at 79.286,-127.067 h1.83
  text "Count" at 92.135,-127.067 h1.83
  text "Hole Size" at 105.848,-127.067 h1.83
  text "4" at 92.135,-130.877 h1.52
  text "0,40mm" at 105.848,-130.877 h1.52
  text "1" at 92.135,-134.687 h1.52
  text "0,80mm" at 105.848,-134.687 h1.52
  text "26" at 92.135,-138.497 h1.52
  text "1,00mm" at 105.848,-138.497 h1.52
  text "11" at 92.135,-142.307 h1.52
  text "1,50mm" at 105.848,-142.307 h1.52
  text "14" at 92.135,-146.117 h1.52
  text "1,90mm" at 105.848,-146.117 h1.52
  text "1" at 92.135,-149.927 h1.52
  text "2,40mm" at 105.848,-149.927 h1.52
  text "13" at 92.135,-153.737 h1.52
  text "3,20mm" at 105.848,-153.737 h1.52
  text "2" at 92.135,-157.547 h1.52
  text "3,50mm" at 105.848,-157.547 h1.52
  text "72 Total" at 92.135,-161.357 h1.52

## Dimensions
-5,-162.5 to 55,-162.5 on Mechanical 1
-5,7 to -5,-162.5 on Mechanical 1

## Text inside footprints (layer, text, board x,y; h text height)
BT1: Top Overlay "+" at 8.14,-80.49 h5 r90; Top Overlay "l" at 3.45,-18.29 h5 r270; Top Overlay "l" at 27.25,-80.29 h5 r90; Top Overlay "+" at 22.56,-18.29 h5 r270
Designator5: Top Overlay "l" at 8.46,-35.5 h5 r90; Top Overlay "+" at 8.46,-59.3 h5 r180
Designator6: Top Overlay "+" at 22.46,-35.5 h5; Top Overlay "l" at 22.46,-63.5 h5 r270